# Altium PCB PCB2.PcbDoc (part 2 of 3) (continued)
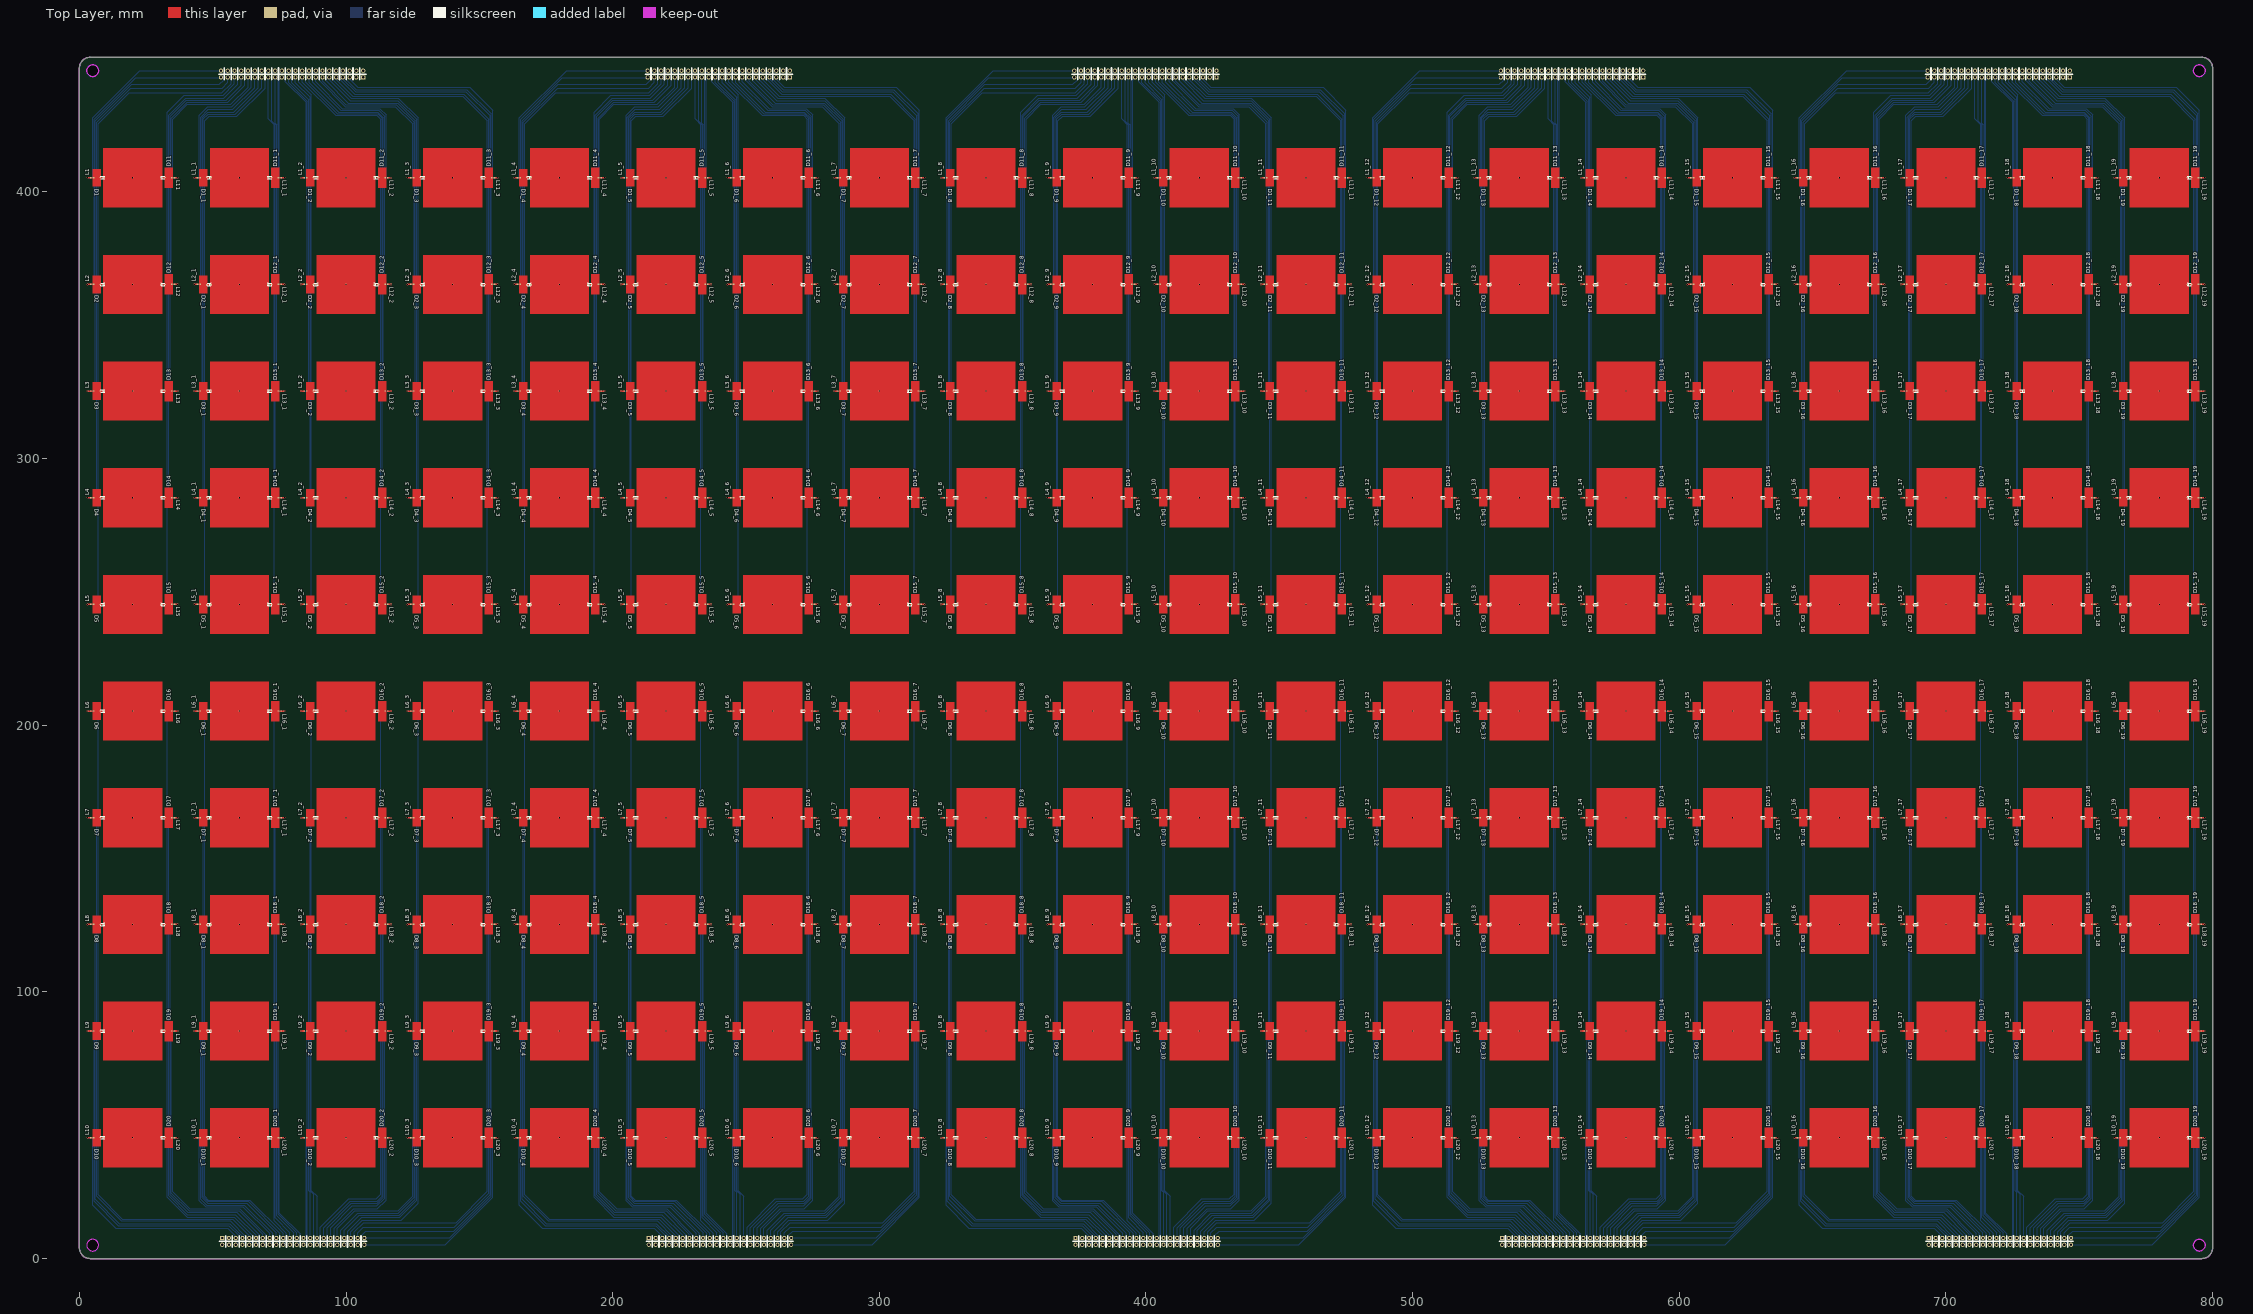
[diagram p0: Top Layer view]
## Nets (pads, with @x,y where several pads share a name; then routed paths per layer and width w, separated by ;. In a path a pad name is that pad's centre, name@x,y a point inside that pad or via, vN(x,y) a via of type N, cw(c..) or ccw(c..) an arc to the next point about the centre after c; other vN are vias at no path point) (continued)
NewNet153: H10.38 L7_3.1 | length 183.2
  Bottom Layer w0.2: H10.38@99.28,5.168 100.613,6.502 100.613,10.307 105.82,15.514 120.146,15.514 126.499,21.867 126.499,165.308 v1(123.1,165.308)
NewNet154: H10.39 L6_3.1 | length 220.4
  Bottom Layer w0.2: H10.39@101.82,7.708 101.82,10.116 106.1,14.396 120.629,14.396 126.999,20.766 126.999,205.308 v1(123.1,205.308)
NewNet155: H1.10 L5_3.1 | length 228.1
  Bottom Layer w0.2: H1.10@96.28,445.448 94.997,444.165 94.997,442.138 101.982,435.153 119.559,435.153 126.999,427.713 126.999,245.308 v1(123.1,245.308)
NewNet156: H1.11 L4_3.1 | length 185.1
  Bottom Layer w0.2: H1.11@93.74,442.908 93.74,441.973 101.525,434.188 119.457,434.188 126.499,427.146 126.499,285.308 v1(123.1,285.308)
NewNet157: H1.12 L3_3.1 | length 148.3
  Bottom Layer w0.2: H1.12@93.74,445.448 92.508,444.216 92.508,441.731 100.915,433.324 119.406,433.324 125.999,426.732 125.999,325.308 v1(123.1,325.308)
NewNet158: H1.13 L2_3.1 | length 105.3
  Bottom Layer w0.2: H1.13@91.2,442.908 91.2,441.515 99.975,432.74 118.873,432.74 125.499,426.114 125.499,365.308 v1(123.1,365.308)
NewNet159: H1.14 L1_3.1 | length 68.1
  Bottom Layer w0.2: H1.14@91.2,445.448 89.917,444.165 89.917,441.884 99.798,432.003 118.517,432.003 124.999,425.522 124.999,405.308 v1(123.1,405.308)
NewNet160: D1_3.2 L1_3.2
NewNet161: D20_4.2 L20_4.2
NewNet162: D19_4.2 L19_4.2
NewNet163: D18_4.2 L18_4.2
NewNet164: D17_4.2 L17_4.2
NewNet165: D16_4.2 L16_4.2
NewNet166: D15_4.2 L15_4.2
NewNet167: D14_4.2 L14_4.2
NewNet168: D13_4.2 L13_4.2
NewNet169: D12_4.2 L12_4.2
NewNet170: D11_4.2 L11_4.2
NewNet171: D10_4.2 L10_4.2
NewNet172: D9_4.2 L9_4.2
NewNet173: D8_4.2 L8_4.2
NewNet174: D7_4.2 L7_4.2
NewNet175: D6_4.2 L6_4.2
NewNet176: D5_4.2 L5_4.2
NewNet177: D4_4.2 L4_4.2
NewNet178: D3_4.2 L3_4.2
NewNet179: D2_4.2 L2_4.2
NewNet180: H9.14 L20_4.1 | length 68.1
  Bottom Layer w0.2: v1(196.9,45.308) 195.001,45.308 195.001,25.094 201.482,18.613 220.202,18.613 230.083,8.732 230.083,6.451 H9.14@228.8,5.168
NewNet181: H9.13 L19_4.1 | length 105.3
  Bottom Layer w0.2: v1(196.9,85.308) 194.501,85.308 194.501,24.502 201.127,17.876 220.024,17.876 228.8,9.101 H9.13@228.8,7.708
NewNet182: H9.12 L18_4.1 | length 148.3
  Bottom Layer w0.2: v1(196.9,125.308) 194.001,125.308 194.001,23.884 200.593,17.292 219.084,17.292 227.492,8.885 227.492,6.4 H9.12@226.26,5.168
NewNet183: H9.11 L17_4.1 | length 185.1
  Bottom Layer w0.2: v1(196.9,165.308) 193.501,165.308 193.501,23.47 200.542,16.428 218.475,16.428 226.26,8.643 H9.11@226.26,7.708
NewNet184: H9.10 L16_4.1 | length 228.1
  Bottom Layer w0.2: v1(196.9,205.308) 193.001,205.308 193.001,22.903 200.441,15.463 218.018,15.463 225.003,8.478 225.003,6.451 H9.10@223.72,5.168
NewNet185: H2.39 L15_4.1 | length 220.4
  Bottom Layer w0.2: v1(196.9,245.308) 193.001,245.308 193.001,429.85 199.371,436.22 213.9,436.22 218.18,440.5 H2.39@218.18,442.908
NewNet186: H2.38 L14_4.1 | length 183.2
  Bottom Layer w0.2: v1(196.9,285.308) 193.501,285.308 193.501,428.749 199.854,435.102 214.179,435.102 219.386,440.309 219.386,444.114 H2.38@220.72,445.448
NewNet187: H2.37 L13_4.1 | length 140.4
  Bottom Layer w0.2: v1(196.9,325.308) 194.001,325.308 194.001,428.36 200.057,434.416 215.119,434.416 220.72,440.017 H2.37@220.72,442.908
NewNet188: H2.36 L12_4.1 | length 103.3
  Bottom Layer w0.2: v1(196.9,365.308) 194.501,365.308 194.501,427.616 200.489,433.603 215.652,433.603 221.977,439.928 221.977,444.165 H2.36@223.26,445.448
NewNet189: H2.35 L11_4.1 | length 60.8
  Bottom Layer w0.2: v1(196.9,405.308) 195.001,405.308 195.001,427.278 200.489,432.765 216.795,432.765 223.26,439.23 H2.35@223.26,442.908
NewNet190: H9.5 L10_4.1 | length 86.3
  Bottom Layer w0.2: v1(163.1,45.308) 164.999,45.308 164.999,20.019 173.593,11.425 215.63,11.425 218.64,8.415 H9.5@218.64,7.708
NewNet191: H9.6 L9_4.1 | length 129.9
  Bottom Layer w0.2: v1(163.1,85.308) 165.499,85.308 165.499,25.385 165.499,21.399 174.634,12.263 216.087,12.263 219.872,8.478 219.872,6.4 H9.6@218.64,5.168
NewNet192: H9.7 L8_4.1 | length 167.6
  Bottom Layer w0.2: v1(163.1,125.308) 165.999,125.308 165.999,22.143 175.015,13.126 216.417,13.126 221.18,8.364 H9.7@221.18,7.708
NewNet193: H9.8 L7_4.1 | length 211.2
  Bottom Layer w0.2: v1(163.1,165.308) 166.499,165.308 166.499,25.384 166.499,23.396 175.803,14.092 216.646,14.092 222.488,8.25 222.488,6.476 H9.8@221.18,5.168
NewNet194: H9.9 L6_4.1 | length 249.2
  Bottom Layer w0.2: v1(163.1,205.308) 166.999,205.308 166.999,25.384 166.999,23.861 176.133,14.727 217.484,14.727 223.72,8.491 H9.9@223.72,7.708
NewNet195: H2.40 L5_4.1 | length 245.6
  Bottom Layer w0.2: v1(163.1,245.308) 166.999,245.308 166.999,425.463 178.67,437.134 213.443,437.134 216.922,440.614 216.922,444.19 H2.40@218.18,445.448
NewNet196: H2.41 L4_4.1 | length 201.4
  Bottom Layer w0.2: v1(163.1,285.308) 166.499,285.308 166.499,426.055 179.33,438.887 213.493,438.887 215.64,441.033 H2.41@215.64,442.908
NewNet197: H2.42 L3_4.1 | length 162.9
  Bottom Layer w0.2: v1(163.1,325.308) 165.999,325.308 165.999,426.707 179.6,440.308 212.527,440.308 214.357,442.138 214.357,444.165 H2.42@215.64,445.448
NewNet198: H2.43 L2_4.1 | length 118.4
  Bottom Layer w0.2: v1(163.1,365.308) 165.499,365.308 165.499,427.207 181.1,442.808 213,442.808 H2.43@213.1,442.908
NewNet199: H2.44 L1_4.1 | length 79.7
  Bottom Layer w0.2: v1(163.1,405.308) 164.999,405.308 164.999,427.707 182.74,445.448 H2.44@213.1,445.448
NewNet200: D1_4.2 L1_4.2
NewNet201: D20_5.2 L20_5.2
NewNet202: D19_5.2 L19_5.2
NewNet203: D18_5.2 L18_5.2
NewNet204: D17_5.2 L17_5.2
NewNet205: D16_5.2 L16_5.2
NewNet206: D15_5.2 L15_5.2
NewNet207: D14_5.2 L14_5.2
NewNet208: D13_5.2 L13_5.2
NewNet209: D12_5.2 L12_5.2
NewNet210: D11_5.2 L11_5.2
NewNet211: D10_5.2 L10_5.2
NewNet212: D9_5.2 L9_5.2
NewNet213: D8_5.2 L8_5.2
NewNet214: D7_5.2 L7_5.2
NewNet215: D6_5.2 L6_5.2
NewNet216: D5_5.2 L5_5.2
NewNet217: D4_5.2 L4_5.2
NewNet218: D3_5.2 L3_5.2
NewNet219: D2_5.2 L2_5.2
NewNet220: H9.24 L20_5.1 | length 45.8
  Bottom Layer w0.2: v1(236.9,45.308) 235.001,45.308 235.001,17.022 242.757,9.266 242.757,6.426 H9.24@241.5,5.168
NewNet221: H9.23 L19_5.1 | length 82.9
  Bottom Layer w0.2: v1(236.9,85.308) 234.501,85.308 234.501,16.633 241.5,9.634 H9.23@241.5,7.708
NewNet222: H9.22 L18_5.1 | length 126.2
  Bottom Layer w0.2: v1(236.9,125.308) 234.001,125.308 234.001,16.041 240.319,9.723 240.319,6.527 H9.22@238.96,5.168
NewNet223: H9.21 L17_5.1 | length 163.3
  Bottom Layer w0.2: v1(236.9,165.308) 233.501,165.308 233.501,15.194 238.96,9.736 H9.21@238.96,7.708
NewNet224: H9.20 L16_5.1 | length 206.5
  Bottom Layer w0.2: H9.20@236.42,5.168 237.652,6.4 237.652,9.494 233.001,14.145 233.001,205.308 v1(236.9,205.308)
NewNet225: H2.29 L15_5.1 | length 202.4
  Bottom Layer w0.2: H2.29@230.88,442.908 230.88,427.352 233.001,425.231 233.001,245.308 v1(236.9,245.308)
NewNet226: H2.28 L14_5.1 | length 164.6
  Bottom Layer w0.2: H2.28@233.42,445.448 232.188,444.216 232.188,426.544 233.501,425.231 233.501,285.308 v1(236.9,285.308)
NewNet227: H2.27 L13_5.1 | length 120.7
  Bottom Layer w0.2: H2.27@233.42,442.908 233.42,425.812 234.001,425.231 234.001,325.308 v1(236.9,325.308)
NewNet228: H2.26 L12_5.1 | length 83.1
  Bottom Layer w0.2: H2.26@235.96,445.448 234.501,443.989 234.501,365.308 v1(236.9,365.308)
NewNet229: H2.25 L11_5.1 | length 39.9
  Bottom Layer w0.2: H2.25@235.96,442.908 235.001,441.949 235.001,405.308 v1(236.9,405.308)
NewNet230: H9.15 L10_5.1 | length 58.6
  Bottom Layer w0.2: v1(203.1,45.308) 204.999,45.308 204.999,25.384 204.999,21.751 207.35,19.4 221.345,19.4 231.34,9.405 H9.15@231.34,7.708
NewNet231: H9.16 L9_5.1 | length 102.5
  Bottom Layer w0.2: v1(203.1,85.308) 205.499,85.308 205.499,25.384 205.499,22.293 207.731,20.061 221.904,20.061 232.546,9.418 232.546,6.375 H9.16@231.34,5.168
NewNet232: H9.17 L8_5.1 | length 140.6
  Bottom Layer w0.2: v1(203.1,125.308) 205.999,125.308 205.999,22.834 208.086,20.746 222.742,20.746 233.88,9.609 H9.17@233.88,7.708
NewNet233: H9.18 L7_5.1 | length 184.8
  Bottom Layer w0.2: v1(203.1,165.308) 206.499,165.308 206.499,23.071 208.162,21.407 223.326,21.407 235.188,9.545 235.188,6.476 H9.18@233.88,5.168
NewNet234: H9.19 L6_5.1 | length 222.8
  Bottom Layer w0.2: v1(203.1,205.308) 206.999,205.308 206.999,23.358 208.416,21.94 223.91,21.94 236.42,9.431 H9.19@236.42,7.708
NewNet235: H2.30 L5_5.1 | length 220
  Bottom Layer w0.2: v1(203.1,245.308) 206.999,245.308 206.999,426.601 208.693,428.295 219.005,428.295 229.622,438.912 229.622,444.19 H2.30@230.88,445.448
NewNet236: H2.31 L4_5.1 | length 176
  Bottom Layer w0.2: v1(203.1,285.308) 206.499,285.308 206.499,427.345 208.337,429.184 218.472,429.184 228.34,439.052 H2.31@228.34,442.908
NewNet237: H2.32 L3_5.1 | length 138
  Bottom Layer w0.2: v1(203.1,325.308) 205.999,325.308 205.999,427.709 208.21,429.92 217.964,429.92 227.108,439.064 227.108,444.216 H2.32@228.34,445.448
NewNet238: H2.33 L2_5.1 | length 93.8
  Bottom Layer w0.2: v1(203.1,365.308) 205.499,365.308 205.499,428.022 208.388,430.911 217.583,430.911 225.8,439.128 H2.33@225.8,442.908
NewNet239: H2.34 L1_5.1 | length 55.9
  Bottom Layer w0.2: v1(203.1,405.308) 204.999,405.308 204.999,428.69 208.21,431.902 217.1,431.902 224.492,439.293 224.492,444.14 H2.34@225.8,445.448
NewNet240: D1_5.2 L1_5.2
NewNet241: D20_6.2 L20_6.2
NewNet242: D19_6.2 L19_6.2
NewNet243: D18_6.2 L18_6.2
NewNet244: D17_6.2 L17_6.2
NewNet245: D16_6.2 L16_6.2
NewNet246: D15_6.2 L15_6.2
NewNet247: D14_6.2 L14_6.2
NewNet248: D13_6.2 L13_6.2
NewNet249: D12_6.2 L12_6.2
NewNet250: D11_6.2 L11_6.2
NewNet251: D10_6.2 L10_6.2
NewNet252: D9_6.2 L9_6.2
NewNet253: D8_6.2 L8_6.2
NewNet254: D7_6.2 L7_6.2
NewNet255: D6_6.2 L6_6.2
NewNet256: D5_6.2 L5_6.2
NewNet257: D4_6.2 L4_6.2
NewNet258: D3_6.2 L3_6.2
NewNet259: D2_6.2 L2_6.2
NewNet260: H9.34 L20_6.1 | length 55.9
  Bottom Layer w0.2: H9.34@254.2,5.168 255.508,6.476 255.508,11.323 262.899,18.714 271.789,18.714 275.001,21.926 275.001,45.308 v1(276.9,45.308)
NewNet261: H9.33 L19_6.1 | length 93.8
  Bottom Layer w0.2: H9.33@254.2,7.708 254.2,11.488 262.417,19.705 271.612,19.705 274.501,22.594 274.501,25.547 274.501,85.308 v1(276.9,85.308)
NewNet262: H9.32 L18_6.1 | length 138
  Bottom Layer w0.2: H9.32@251.66,5.168 252.892,6.4 252.892,11.552 262.036,20.696 271.789,20.696 274.001,22.907 274.001,125.308 v1(276.9,125.308)
NewNet263: H9.31 L17_6.1 | length 176
  Bottom Layer w0.2: H9.31@251.66,7.708 251.66,11.564 261.528,21.432 271.662,21.432 273.501,23.271 273.501,165.308 v1(276.9,165.308)
NewNet264: H9.30 L16_6.1 | length 220
  Bottom Layer w0.2: H9.30@249.12,5.168 250.377,6.426 250.377,11.704 260.994,22.321 271.307,22.321 273.001,24.015 273.001,205.308 v1(276.9,205.308)
NewNet265: H2.19 L15_6.1 | length 222.8
  Bottom Layer w0.2: H2.19@243.58,442.908 243.58,441.185 256.089,428.676 271.583,428.676 273.001,427.258 273.001,245.308 v1(276.9,245.308)
NewNet266: H2.18 L14_6.1 | length 184.8
  Bottom Layer w0.2: H2.18@246.12,445.448 244.812,444.14 244.812,441.071 256.673,429.209 271.837,429.209 273.501,427.545 273.501,285.308 v1(276.9,285.308)
NewNet267: H2.17 L13_6.1 | length 140.6
  Bottom Layer w0.2: H2.17@246.12,442.908 246.12,441.007 257.258,429.87 271.913,429.87 274.001,427.782 274.001,325.308 v1(276.9,325.308)
NewNet268: H2.16 L12_6.1 | length 102.5
  Bottom Layer w0.2: H2.16@248.66,445.448 247.453,444.241 247.453,441.198 258.096,430.555 272.269,430.555 274.501,428.323 274.501,365.308 v1(276.9,365.308)
NewNet269: H2.15 L11_6.1 | length 58.6
  Bottom Layer w0.2: H2.15@248.66,442.908 248.66,441.211 258.655,431.216 272.65,431.216 275.001,428.865 275.001,405.308 v1(276.9,405.308)
NewNet270: H9.25 L10_6.1 | length 39.9
  Bottom Layer w0.2: v1(243.1,45.308) 244.999,45.308 244.999,8.667 H9.25@244.04,7.708
NewNet271: H9.26 L9_6.1 | length 83.1
  Bottom Layer w0.2: v1(243.1,85.308) 245.499,85.308 245.499,6.627 H9.26@244.04,5.168
NewNet272: H9.27 L8_6.1 | length 120.7
  Bottom Layer w0.2: v1(243.1,125.308) 245.999,125.308 245.999,25.385 246.58,24.804 H9.27@246.58,7.708
NewNet273: H9.28 L7_6.1 | length 164.6
  Bottom Layer w0.2: v1(243.1,165.308) 246.499,165.308 246.499,25.385 247.812,24.072 247.812,6.4 H9.28@246.58,5.168
NewNet274: H9.29 L6_6.1 | length 202.4
  Bottom Layer w0.2: v1(243.1,205.308) 246.999,205.308 246.999,25.385 249.12,23.264 H9.29@249.12,7.708
NewNet275: H2.20 L5_6.1 | length 206.5
  Bottom Layer w0.2: v1(243.1,245.308) 246.999,245.308 246.999,436.471 242.348,441.122 242.348,444.216 H2.20@243.58,445.448
NewNet276: H2.21 L4_6.1 | length 163.3
  Bottom Layer w0.2: H2.21@241.04,442.908 241.04,440.88 246.499,435.422 246.499,285.308 v1(243.1,285.308)
NewNet277: H2.22 L3_6.1 | length 126.2
  Bottom Layer w0.2: H2.22@241.04,445.448 239.681,444.089 239.681,440.893 245.999,434.575 245.999,325.308 v1(243.1,325.308)
NewNet278: H2.23 L2_6.1 | length 82.9
  Bottom Layer w0.2: H2.23@238.5,442.908 238.5,440.982 245.499,433.983 245.499,365.308 v1(243.1,365.308)
NewNet279: H2.24 L1_6.1 | length 45.8
  Bottom Layer w0.2: H2.24@238.5,445.448 237.242,444.19 237.242,441.35 244.999,433.594 244.999,405.308 v1(243.1,405.308)
NewNet280: D1_6.2 L1_6.2
NewNet281: D20_7.2 L20_7.2
NewNet282: D19_7.2 L19_7.2
NewNet283: D18_7.2 L18_7.2
NewNet284: D17_7.2 L17_7.2
NewNet285: D16_7.2 L16_7.2
NewNet286: D15_7.2 L15_7.2
NewNet287: D14_7.2 L14_7.2
NewNet288: D13_7.2 L13_7.2
NewNet289: D12_7.2 L12_7.2
NewNet290: D11_7.2 L11_7.2
NewNet291: D10_7.2 L10_7.2
NewNet292: D9_7.2 L9_7.2
NewNet293: D8_7.2 L8_7.2
NewNet294: D7_7.2 L7_7.2
NewNet295: D6_7.2 L6_7.2
NewNet296: D5_7.2 L5_7.2
NewNet297: D4_7.2 L4_7.2
NewNet298: D3_7.2 L3_7.2
NewNet299: D2_7.2 L2_7.2
NewNet300: H9.44 L20_7.1 | length 79.7
  Bottom Layer w0.2: H9.44@266.9,5.168 297.26,5.168 315.001,22.909 315.001,45.308 v1(316.9,45.308)
NewNet301: H9.43 L19_7.1 | length 118.4
  Bottom Layer w0.2: H9.43@266.9,7.708 267,7.808 298.9,7.808 314.501,23.409 314.501,85.308 v1(316.9,85.308)
NewNet302: H9.42 L18_7.1 | length 162.9
  Bottom Layer w0.2: H9.42@264.36,5.168 265.643,6.451 265.643,8.478 267.473,10.308 300.4,10.308 314.001,23.909 314.001,125.308 v1(316.9,125.308)
NewNet303: H9.41 L17_7.1 | length 201.4
  Bottom Layer w0.2: H9.41@264.36,7.708 264.36,9.583 266.506,11.729 300.669,11.729 313.501,24.561 313.501,165.308 v1(316.9,165.308)
NewNet304: H9.40 L16_7.1 | length 245.6
  Bottom Layer w0.2: H9.40@261.82,5.168 263.077,6.426 263.077,10.002 266.557,13.482 301.33,13.482 313.001,25.153 313.001,205.308 v1(316.9,205.308)
NewNet305: H2.9 L15_7.1 | length 249.2
  Bottom Layer w0.2: H2.9@256.28,442.908 256.28,442.125 262.515,435.889 303.867,435.889 313.001,426.755 313.001,245.308 v1(316.9,245.308)
NewNet306: H2.8 L14_7.1 | length 211.2
  Bottom Layer w0.2: H2.8@258.82,445.448 257.512,444.14 257.512,442.366 263.354,436.524 304.197,436.524 313.501,427.22 313.501,285.308 v1(316.9,285.308)
NewNet307: H2.7 L13_7.1 | length 167.6
  Bottom Layer w0.2: H2.7@258.82,442.908 258.82,442.252 263.582,437.49 304.984,437.49 314.001,428.473 314.001,325.308 v1(316.9,325.308)
NewNet308: H2.6 L12_7.1 | length 129.9
  Bottom Layer w0.2: H2.6@261.36,445.448 260.128,444.216 260.128,442.138 263.912,438.353 305.365,438.353 314.501,429.217 314.501,365.308 v1(316.9,365.308)
NewNet309: H2.5 L11_7.1 | length 86.3
  Bottom Layer w0.2: H2.5@261.36,442.908 261.36,442.201 264.37,439.191 306.407,439.191 315.001,430.597 315.001,405.308 v1(316.9,405.308)
NewNet310: H9.35 L10_7.1 | length 60.8
  Bottom Layer w0.2: H9.35@256.74,7.708 256.74,11.386 263.204,17.851 279.511,17.851 284.999,23.338 284.999,45.308 v1(283.1,45.308)
NewNet311: H9.36 L9_7.1 | length 103.3
  Bottom Layer w0.2: H9.36@256.74,5.168 258.023,6.451 258.023,10.688 264.347,17.013 279.511,17.013 285.499,23 285.499,85.308 v1(283.1,85.308)
NewNet312: H9.37 L8_7.1 | length 140.4
  Bottom Layer w0.2: H9.37@259.28,7.708 259.28,10.599 264.881,16.2 279.943,16.2 285.999,22.256 285.999,125.308 v1(283.1,125.308)
NewNet313: H9.38 L7_7.1 | length 183.2
  Bottom Layer w0.2: H9.38@259.28,5.168 260.613,6.502 260.613,10.307 265.82,15.514 280.146,15.514 286.499,21.867 286.499,165.308 v1(283.1,165.308)
NewNet314: H9.39 L6_7.1 | length 220.4
  Bottom Layer w0.2: H9.39@261.82,7.708 261.82,10.116 266.1,14.396 280.629,14.396 286.999,20.766 286.999,205.308 v1(283.1,205.308)
NewNet315: H2.10 L5_7.1 | length 228.1
  Bottom Layer w0.2: H2.10@256.28,445.448 254.997,444.165 254.997,442.138 261.982,435.153 279.559,435.153 286.999,427.713 286.999,245.308 v1(283.1,245.308)
NewNet316: H2.11 L4_7.1 | length 185.1
  Bottom Layer w0.2: H2.11@253.74,442.908 253.74,441.973 261.525,434.188 279.457,434.188 286.499,427.146 286.499,285.308 v1(283.1,285.308)
NewNet317: H2.12 L3_7.1 | length 148.3
  Bottom Layer w0.2: H2.12@253.74,445.448 252.508,444.216 252.508,441.731 260.915,433.324 279.406,433.324 285.999,426.732 285.999,325.308 v1(283.1,325.308)
NewNet318: H2.13 L2_7.1 | length 105.3
  Bottom Layer w0.2: H2.13@251.2,442.908 251.2,441.515 259.975,432.74 278.873,432.74 285.499,426.114 285.499,365.308 v1(283.1,365.308)
NewNet319: H2.14 L1_7.1 | length 68.1
  Bottom Layer w0.2: H2.14@251.2,445.448 249.917,444.165 249.917,441.884 259.798,432.003 278.517,432.003 284.999,425.522 284.999,405.308 v1(283.1,405.308)
NewNet320: D1_7.2 L1_7.2
NewNet321: D20_8.2 L20_8.2
NewNet322: D19_8.2 L19_8.2
NewNet323: D18_8.2 L18_8.2
NewNet324: D17_8.2 L17_8.2
NewNet325: D16_8.2 L16_8.2
NewNet326: D15_8.2 L15_8.2
NewNet327: D14_8.2 L14_8.2
NewNet328: D13_8.2 L13_8.2
NewNet329: D12_8.2 L12_8.2
NewNet330: D11_8.2 L11_8.2
NewNet331: D10_8.2 L10_8.2
NewNet332: D9_8.2 L9_8.2
NewNet333: D8_8.2 L8_8.2
NewNet334: D7_8.2 L7_8.2
NewNet335: D6_8.2 L6_8.2
NewNet336: D5_8.2 L5_8.2
NewNet337: D4_8.2 L4_8.2
NewNet338: D3_8.2 L3_8.2
NewNet339: D2_8.2 L2_8.2
NewNet340: H8.14 L20_8.1 | length 68.1
  Bottom Layer w0.2: v1(356.9,45.308) 355.001,45.308 355.001,25.094 361.482,18.613 380.202,18.613 390.083,8.732 390.083,6.451 H8.14@388.8,5.168
NewNet341: H8.13 L19_8.1 | length 105.3
  Bottom Layer w0.2: v1(356.9,85.308) 354.501,85.308 354.501,24.502 361.127,17.876 380.024,17.876 388.8,9.101 H8.13@388.8,7.708
NewNet342: H8.12 L18_8.1 | length 148.3
  Bottom Layer w0.2: v1(356.9,125.308) 354.001,125.308 354.001,23.884 360.593,17.292 379.084,17.292 387.492,8.885 387.492,6.4 H8.12@386.26,5.168
NewNet343: H8.11 L17_8.1 | length 185.1
  Bottom Layer w0.2: v1(356.9,165.308) 353.501,165.308 353.501,23.47 360.542,16.428 378.475,16.428 386.26,8.643 H8.11@386.26,7.708
NewNet344: H8.10 L16_8.1 | length 228.1
  Bottom Layer w0.2: v1(356.9,205.308) 353.001,205.308 353.001,22.903 360.441,15.463 378.018,15.463 385.003,8.478 385.003,6.451 H8.10@383.72,5.168
NewNet345: H3.39 L15_8.1 | length 220.4
  Bottom Layer w0.2: v1(356.9,245.308) 353.001,245.308 353.001,429.85 359.371,436.22 373.9,436.22 378.18,440.5 H3.39@378.18,442.908
NewNet346: H3.38 L14_8.1 | length 183.2
  Bottom Layer w0.2: v1(356.9,285.308) 353.501,285.308 353.501,428.749 359.854,435.102 374.179,435.102 379.386,440.309 379.386,444.114 H3.38@380.72,445.448
NewNet347: H3.37 L13_8.1 | length 140.4
  Bottom Layer w0.2: v1(356.9,325.308) 354.001,325.308 354.001,428.36 360.057,434.416 375.119,434.416 380.72,440.017 H3.37@380.72,442.908
NewNet348: H3.36 L12_8.1 | length 103.3
  Bottom Layer w0.2: v1(356.9,365.308) 354.501,365.308 354.501,427.616 360.489,433.603 375.652,433.603 381.977,439.928 381.977,444.165 H3.36@383.26,445.448
NewNet349: H3.35 L11_8.1 | length 60.8
  Bottom Layer w0.2: v1(356.9,405.308) 355.001,405.308 355.001,427.278 360.489,432.765 376.795,432.765 383.26,439.23 H3.35@383.26,442.908
NewNet350: H8.5 L10_8.1 | length 86.3
  Bottom Layer w0.2: v1(323.1,45.308) 324.999,45.308 324.999,20.019 333.593,11.425 375.63,11.425 378.64,8.415 H8.5@378.64,7.708
NewNet351: H8.6 L9_8.1 | length 129.9
  Bottom Layer w0.2: v1(323.1,85.308) 325.499,85.308 325.499,21.399 334.634,12.263 376.087,12.263 379.872,8.478 379.872,6.4 H8.6@378.64,5.168
NewNet352: H8.7 L8_8.1 | length 167.6
  Bottom Layer w0.2: v1(323.1,125.308) 325.999,125.308 325.999,22.143 335.015,13.126 376.417,13.126 381.18,8.364 H8.7@381.18,7.708
NewNet353: H8.8 L7_8.1 | length 211.2
  Bottom Layer w0.2: v1(323.1,165.308) 326.499,165.308 326.499,23.396 335.803,14.092 376.646,14.092 382.488,8.25 382.488,6.476 H8.8@381.18,5.168
NewNet354: H8.9 L6_8.1 | length 249.2
  Bottom Layer w0.2: v1(323.1,205.308) 326.999,205.308 326.999,23.861 336.133,14.727 377.484,14.727 383.72,8.491 H8.9@383.72,7.708
NewNet355: H3.40 L5_8.1 | length 245.6
  Bottom Layer w0.2: v1(323.1,245.308) 326.999,245.308 326.999,425.463 338.67,437.134 373.443,437.134 376.922,440.614 376.922,444.19 H3.40@378.18,445.448
NewNet356: H3.41 L4_8.1 | length 201.4
  Bottom Layer w0.2: v1(323.1,285.308) 326.499,285.308 326.499,425.801 326.499,426.055 339.33,438.887 373.493,438.887 375.64,441.033 H3.41@375.64,442.908
NewNet357: H3.42 L3_8.1 | length 162.9
  Bottom Layer w0.2: v1(323.1,325.308) 325.999,325.308 325.999,426.707 339.6,440.308 372.527,440.308 374.357,442.138 374.357,444.165 H3.42@375.64,445.448
NewNet358: H3.43 L2_8.1 | length 118.4
  Bottom Layer w0.2: v1(323.1,365.308) 325.499,365.308 325.499,427.207 341.1,442.808 373,442.808 H3.43@373.1,442.908
NewNet359: H3.44 L1_8.1 | length 79.7
  Bottom Layer w0.2: v1(323.1,405.308) 324.999,405.308 324.999,427.707 342.74,445.448 H3.44@373.1,445.448
NewNet360: D1_8.2 L1_8.2
NewNet361: D20_9.2 L20_9.2
NewNet362: D19_9.2 L19_9.2
NewNet363: D18_9.2 L18_9.2
NewNet364: D17_9.2 L17_9.2
NewNet365: D16_9.2 L16_9.2
NewNet366: D15_9.2 L15_9.2
NewNet367: D14_9.2 L14_9.2
NewNet368: D13_9.2 L13_9.2
NewNet369: D12_9.2 L12_9.2
NewNet370: D11_9.2 L11_9.2
NewNet371: D10_9.2 L10_9.2
NewNet372: D9_9.2 L9_9.2
NewNet373: D8_9.2 L8_9.2
NewNet374: D7_9.2 L7_9.2
NewNet375: D6_9.2 L6_9.2
NewNet376: D5_9.2 L5_9.2
NewNet377: D4_9.2 L4_9.2
NewNet378: D3_9.2 L3_9.2
NewNet379: D2_9.2 L2_9.2
NewNet380: H8.24 L20_9.1 | length 45.8
  Bottom Layer w0.2: v1(396.9,45.308) 395.001,45.308 395.001,17.022 402.757,9.266 402.757,6.426 H8.24@401.5,5.168
NewNet381: H8.23 L19_9.1 | length 82.9
  Bottom Layer w0.2: v1(396.9,85.308) 394.501,85.308 394.501,16.633 401.5,9.634 H8.23@401.5,7.708
NewNet382: H8.22 L18_9.1 | length 126.2
  Bottom Layer w0.2: v1(396.9,125.308) 394.001,125.308 394.001,16.041 400.319,9.723 400.319,6.527 H8.22@398.96,5.168
NewNet383: H8.21 L17_9.1 | length 163.3
  Bottom Layer w0.2: v1(396.9,165.308) 393.501,165.308 393.501,15.194 398.96,9.736 H8.21@398.96,7.708
NewNet384: H8.20 L16_9.1 | length 206.5
  Bottom Layer w0.2: H8.20@396.42,5.168 397.652,6.4 397.652,9.494 393.001,14.145 393.001,205.308 v1(396.9,205.308)
NewNet385: H3.29 L15_9.1 | length 202.4
  Bottom Layer w0.2: H3.29@390.88,442.908 390.88,427.352 393.001,425.231 393.001,245.308 v1(396.9,245.308)
NewNet386: H3.28 L14_9.1 | length 164.6
  Bottom Layer w0.2: H3.28@393.42,445.448 392.188,444.216 392.188,426.544 393.501,425.231 393.501,285.308 v1(396.9,285.308)
NewNet387: H3.27 L13_9.1 | length 120.7
  Bottom Layer w0.2: H3.27@393.42,442.908 393.42,425.812 394.001,425.231 394.001,325.308 v1(396.9,325.308)
NewNet388: H3.26 L12_9.1 | length 83.1
  Bottom Layer w0.2: H3.26@395.96,445.448 394.501,443.989 394.501,365.308 v1(396.9,365.308)
NewNet389: H3.25 L11_9.1 | length 39.9
  Bottom Layer w0.2: H3.25@395.96,442.908 395.001,441.949 395.001,405.308 v1(396.9,405.308)
NewNet390: H8.15 L10_9.1 | length 58.6
  Bottom Layer w0.2: v1(363.1,45.308) 364.999,45.308 364.999,25.384 364.999,21.751 367.35,19.4 381.345,19.4 391.34,9.405 H8.15@391.34,7.708
NewNet391: H8.16 L9_9.1 | length 102.5
  Bottom Layer w0.2: v1(363.1,85.308) 365.499,85.308 365.499,25.496 365.499,22.293 367.731,20.061 381.904,20.061 392.546,9.418 392.546,6.375 H8.16@391.34,5.168
NewNet392: H8.17 L8_9.1 | length 140.6
  Bottom Layer w0.2: v1(363.1,125.308) 365.999,125.308 365.999,22.834 368.086,20.746 382.742,20.746 393.88,9.609 H8.17@393.88,7.708
NewNet393: H8.18 L7_9.1 | length 184.8
  Bottom Layer w0.2: v1(363.1,165.308) 366.499,165.308 366.499,23.071 368.162,21.407 383.326,21.407 395.188,9.545 395.188,6.476 H8.18@393.88,5.168
NewNet394: H8.19 L6_9.1 | length 222.8
  Bottom Layer w0.2: v1(363.1,205.308) 366.999,205.308 366.999,23.358 368.416,21.94 383.91,21.94 396.42,9.431 H8.19@396.42,7.708
NewNet395: H3.30 L5_9.1 | length 220
  Bottom Layer w0.2: v1(363.1,245.308) 366.999,245.308 366.999,426.601 368.693,428.295 379.005,428.295 389.622,438.912 389.622,444.19 H3.30@390.88,445.448
NewNet396: H3.31 L4_9.1 | length 176
  Bottom Layer w0.2: v1(363.1,285.308) 366.499,285.308 366.499,425.232 366.499,427.345 368.337,429.184 378.472,429.184 388.34,439.052 H3.31@388.34,442.908
NewNet397: H3.32 L3_9.1 | length 138
  Bottom Layer w0.2: v1(363.1,325.308) 365.999,325.308 365.999,427.709 368.21,429.92 377.964,429.92 387.108,439.064 387.108,444.216 H3.32@388.34,445.448
NewNet398: H3.33 L2_9.1 | length 93.8
  Bottom Layer w0.2: v1(363.1,365.308) 365.499,365.308 365.499,428.022 368.388,430.911 377.583,430.911 385.8,439.128 H3.33@385.8,442.908
NewNet399: H3.34 L1_9.1 | length 55.9
  Bottom Layer w0.2: v1(363.1,405.308) 364.999,405.308 364.999,428.69 368.21,431.902 377.1,431.902 384.492,439.293 384.492,444.14 H3.34@385.8,445.448
NewNet400: D1_9.2 L1_9.2
NewNet401: D20_10.2 L20_10.2
NewNet402: D19_10.2 L19_10.2
NewNet403: D18_10.2 L18_10.2
NewNet404: D17_10.2 L17_10.2
NewNet405: D16_10.2 L16_10.2
NewNet406: D15_10.2 L15_10.2
NewNet407: D14_10.2 L14_10.2
NewNet408: D13_10.2 L13_10.2
NewNet409: D12_10.2 L12_10.2
NewNet410: D11_10.2 L11_10.2
NewNet411: D10_10.2 L10_10.2
NewNet412: D9_10.2 L9_10.2
NewNet413: D8_10.2 L8_10.2
NewNet414: D7_10.2 L7_10.2
NewNet415: D6_10.2 L6_10.2
NewNet416: D5_10.2 L5_10.2
NewNet417: D4_10.2 L4_10.2
NewNet418: D3_10.2 L3_10.2
NewNet419: D2_10.2 L2_10.2
NewNet420: H8.34 L20_10.1 | length 55.9
  Bottom Layer w0.2: H8.34@414.2,5.168 415.508,6.476 415.508,11.323 422.899,18.714 431.789,18.714 435.001,21.926 435.001,45.308 v1(436.9,45.308)
NewNet421: H8.33 L19_10.1 | length 93.8
  Bottom Layer w0.2: H8.33@414.2,7.708 414.2,11.488 422.417,19.705 431.612,19.705 434.501,22.594 434.501,85.308 v1(436.9,85.308)
NewNet422: H8.32 L18_10.1 | length 138
  Bottom Layer w0.2: H8.32@411.66,5.168 412.892,6.4 412.892,11.552 422.036,20.696 431.789,20.696 434.001,22.907 434.001,125.308 v1(436.9,125.308)
NewNet423: H8.31 L17_10.1 | length 176
  Bottom Layer w0.2: H8.31@411.66,7.708 411.66,11.564 421.528,21.432 431.662,21.432 433.501,23.271 433.501,165.308 v1(436.9,165.308)